# Altium PCB ASCII_LimeSDR-USB_1v4.PcbDoc (part 3 of 10) (continued)
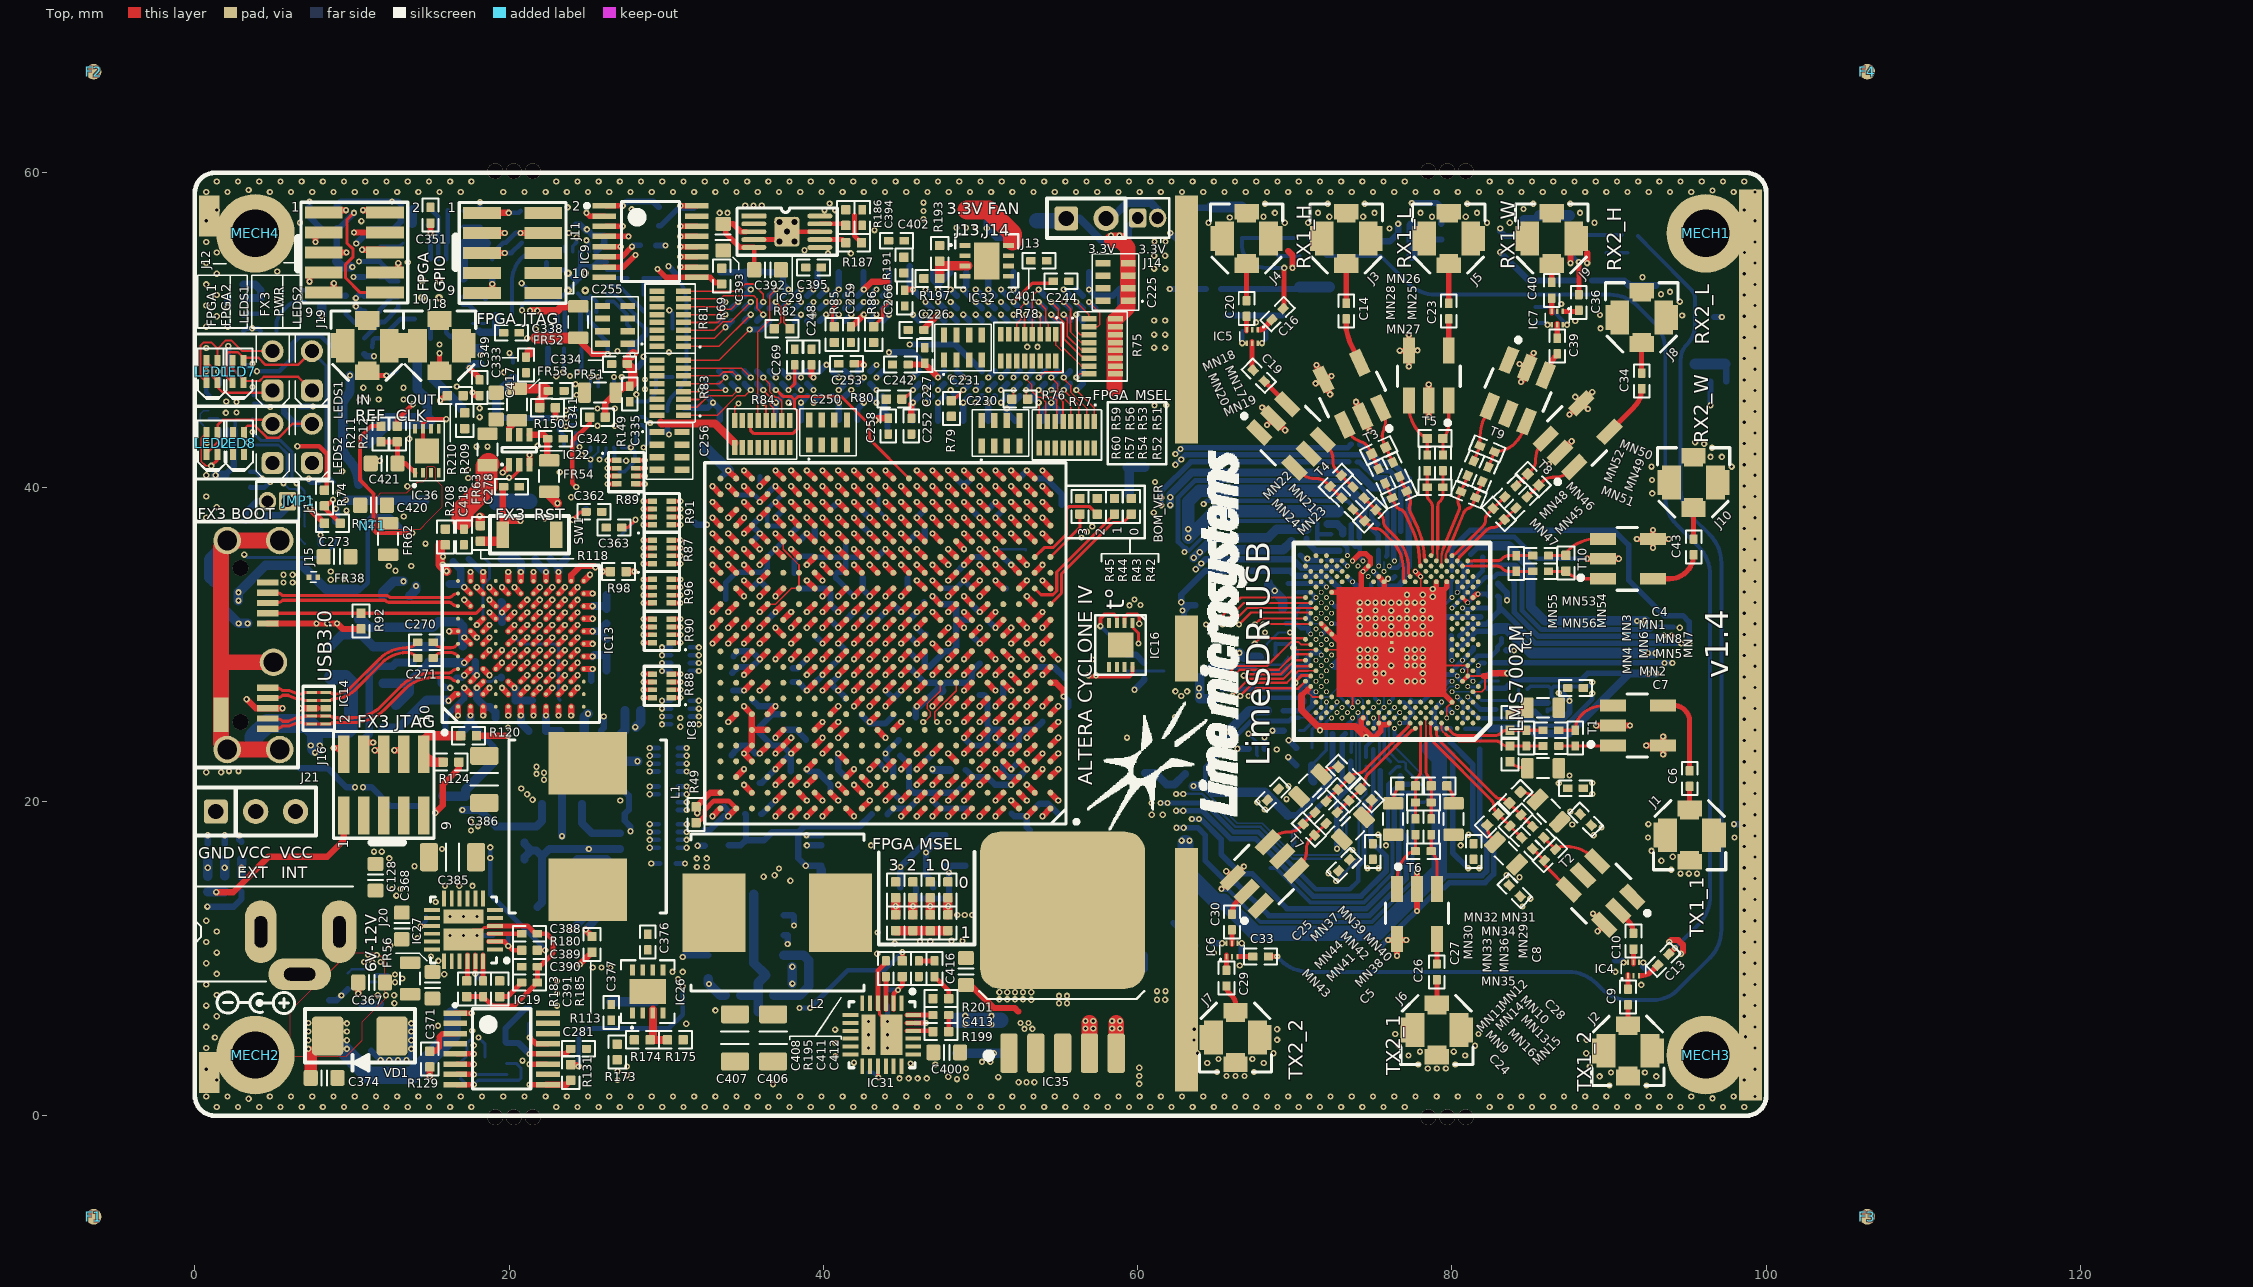
[diagram p0: Top view]
## Part data
C1 C2 C3 C4 C5 C6 C7 C8 C9 C10 C11 C12 C13 C14 C15 C16 C17 C18 C19 C20 C21 C22 C23 C24 C25 C26 C27 C28 C29 C30 C31 C32 C33 C34 C35 C36 C37 C38 C39 C40 C41 C42 C43 C44 C45 C46 C47 C48 C49 C50 C51 C52 C53 C54 C55 C56 C57 C58 C59 C60 C61 C62 C63 C64 C65 C66 C67 C68 C69 C70 C71 C72 C73 C74 C75 C76 C77 C78 C79 C80 C81 C82 C83 C84 C85 C86 C87 C88 C89 C90 C91 C92 C93 C94 C95 C96 C97 C98 C99 C100 C101 C102 C117 C118 C122 C123 C129 C130 C134 C135 C139 C140 C144 C145 C241 C242 C266 C267 C272 C321 C322 C323 C324 C325 C326 C327 C328 C329 C330 C331 C332 C333 C334 C335 C336 C337 C338 C339 C340 C341 C343 C344 C345 C346 C347 C348 C349 C350 C351 C352 C353 C354 C355 C356 C357 C358 C361 C362 C363 C372 C373 C376 C377 C378 C380 C381 C382 C383 C384 C388 C389 C390 C391 C394 C395 C396 C397 C398 C399 C401 C402 C403 C404 C405 C408 C409 C410 C411 C412 C413 C414 C418 MN5 MN6 MN7 MN8 MN13 MN14 MN15 MN16 MN17 MN19 MN20 MN21 MN22 MN23 MN24 MN25 MN27 MN28 MN33 MN34 MN35 MN36 MN41 MN42 MN43 MN44 MN45 MN47 MN48 MN49 MN50 MN51 MN52 MN53 MN55 MN56: library part Cap_0402
C103 C104 C105 C106 C107 C108 C109 C110 C111 C112 C113 C114 C116 C119 C121 C124 C125 C128 C131 C133 C136 C138 C141 C143 C146 C147 C148 C149 C150 C151 C152 C153 C154 C155 C156 C157 C158 C159 C160 C161 C162 C163 C164 C165 C166 C167 C168 C169 C170 C171 C172 C173 C174 C175 C176 C177 C178 C179 C180 C181 C182 C183 C184 C185 C186 C187 C188 C189 C190 C191 C192 C193 C194 C195 C196 C197 C198 C199 C200 C201 C202 C203 C204 C205 C206 C207 C208 C209 C210 C211 C212 C213 C214 C215 C216 C217 C218 C219 C220 C221 C222 C223 C224 C226 C227 C228 C229 C232 C233 C234 C235 C236 C237 C238 C239 C240 C243 C244 C246 C247 C248 C249 C251 C252 C253 C254 C257 C258 C259 C260 C261 C262 C263 C264 C265 C268 C269 C270 C271 C273 C274 C275 C276 C277 C278 C279 C280 C281 C282 C283 C284 C285 C286 C287 C288 C289 C290 C291 C292 C293 C294 C295 C296 C297 C298 C299 C300 C301 C302 C303 C304 C305 C306 C307 C308 C309 C310 C311 C312 C313 C314 C315 C316 C317 C318 C319 C320 C342 C359 C360 C364 C365 C366 C367 C368 C369 C370 C371 C374 C375 C379 C387 C392 C393 C400 C415 C416 C417 C419 C420 C421: library part Cap_0603
C115 C120 C126 C127 C132 C137 C142 C245 C385 C386 C406 C407: library part Cap_1206
C225 C230 C231 C250 C255 C256: library part 4X_cap_array_1206
FR1 FR2 FR3 FR4 FR5 FR6 FR7 FR8 FR9 FR10 FR11 FR12 FR13 FR14 FR15 FR16 FR17 FR18 FR19 FR20 FR21 FR22 FR23 FR24 FR25 FR26 FR27 FR28 FR29 FR30 FR31 FR32 FR33 FR34 FR35 FR36 FR37 FR38 FR39 FR40 FR41 FR42 FR43 FR44 FR45 FR46 FR47 FR48 FR49 FR50 FR51 FR52 FR53 FR54 FR55 FR56 FR57 FR58 FR59 FR60 FR61 FR62 FR63: library part Ferrite
IC2 IC18: library part 24FC64F
IC4 IC5 IC6 IC7: "SKY13323-378LF: 0.1-3.0 GHz GaAs SPDT Switch"
IC8: library part EP4CE40F23C7N, "IC FPGA 328 I/O 484FBGA"
IC10: library part M25P40
IC13: "EZ-USB(R) FX3: SuperSpeed USB Controller, 512 KB, 60 I/Os, 0 to 70 degC, 121-Pin FBGA (BZX121)"
IC17: library part MAX7322ATE+
IC19: library part SC18IS602
IC22: "Single 8-Bit nanoDAC with SPI Interface in LFCSP and SC70, 2.7 to 5.5 V, <100 uA, -40 to +125 degC, KS-6, Pb-Free, Reel"
IC26 IC28 IC30 IC32 IC33 IC34: library part AP7361
IC36: library part SPX3819R2-L/TR
J1 J2 J3 J4 J5 J6 J7 J8 J9 J10: library part RF_IF_connector, "CONN UMC RCPT STR 50 OHM SMD"
J11 J12 J16: library part "Header 5X2_SWD", "Header, 5-Pin, Dual row"
J13 J14: library part Jumper
J15: library part Micro_USB3_B
J18 J19: library part RF_IF_connector
J20: "Power Connector, THT, 2.1mm ID, 5.5mm OD"
J21: library part Header3P, "Header, 3-pin"
JMP1: library part JUMP_2P_CONN_HEADER, "Shorting Jumper, 2-position, 1.27mm pitch"
L1 L2 MN1 MN2 MN3 MN4 MN9 MN10 MN11 MN12 MN18 MN26 MN29 MN30 MN31 MN32 MN37 MN38 MN39 MN40 MN46 MN54: library part Inductor_0603
LED1 LED2 LED7 LED8: library part LED_green_red_SMD
LEDS1 LEDS2: library part LEDx2_STANDOFF
MECH1 MECH2 MECH3 MECH4: library part "STANDOFF_M-F_THREADED_M3x8x10mm_HEX_5mm dia", "STANDOFF M/F MET 5MM HEX 10MM L"
R1 R2 R3 R4 R5 R6 R7 R8 R9 R10 R11 R12 R13 R14 R15 R16 R17 R18 R19 R20 R21 R22 R23 R24 R25 R26 R27 R28 R29 R30 R31 R32 R33 R34 R35 R36 R37 R38 R39 R40 R41 R42 R43 R44 R45 R46 R47 R48 R49 R50 R51 R52 R53 R54 R55 R56 R57 R58 R59 R60 R61 R62 R63 R64 R65 R66 R67 R68 R69 R70 R71 R72 R73 R74 R76 R79 R80 R82 R85 R86 R92 R93 R95 R98 R99 R103 R104 R105 R106 R107 R108 R109 R110 R111 R112 R113 R114 R115 R116 R117 R118 R119 R120 R121 R122 R123 R124 R125 R126 R127 R128 R129 R130 R131 R132 R133 R134 R135 R136 R137 R138 R139 R140 R141 R142 R143 R144 R145 R146 R147 R148 R149 R150 R151 R152 R153 R154 R155 R156 R157 R158 R159 R160 R161 R162 R163 R164 R165 R166 R167 R168 R169 R170 R171 R172 R173 R174 R175 R176 R177 R178 R179 R180 R181 R182 R183 R184 R185 R186 R187 R188 R189 R190 R191 R192 R193 R194 R195 R196 R197 R198 R199 R200 R201 R202 R203 R204 R205 R206 R207 R208 R209 R210 R211 R212 RA1 RA2 RA3 RA4 RA5 RA6 RA7 RA8: library part Res_0402
R75 R77 R78 R81 R83 R84: library part 8X_resistor_array_0402
R87 R88 R89 R90 R91 R94 R96 R97 R100 R101 R102: library part ResArray_0802
SW1: library part Button
T1 T3 T5 T6 T8 T10: library part Balun
T2 T4 T7 T9: library part Balun_v2
VD1: library part DIODE_SCHOTTKY_SOD-523F, "Diode Schottky SMD SOD-523F"
VT1 VT2 VT3 VT4 VT5 VT6: library part BF1105R,215
XO1: library part RPT7050A
XO2: library part TXCO
XT1: library part CRYSTAL_19M2, "Oscillator Crystal 19.2 MHz"
XT2: library part CRYSTAL_19M2, "Oscillator Crystal 25 MHz"

## Free pads (board coordinates)
  round 1 hole 1 unplated: 2(21.5,-0.1) 2(21.5,60.1) 2(78.5,-0.1) 2(78.5,60.1) 3(20.3,-0.1) 3(20.3,60.1) 3(79.7,-0.1) 3(79.7,60.1) 4(19.125,-0.1) 4(19.125,60.1) 4(80.875,-0.1) 4(80.875,60.1)
  rect 1.3x2.6 smd: 5(0.925,2.75) 5(0.925,57.25)
  rect 1.45x15.5 smd mask+0: 16(63.1,9.275)
  rect 1.45x4.2 smd mask+0: 16(63.1,29.725)
  rect 1.45x15.775 smd mask+0: 16(63.1,50.675)
  rect 1.45x58 smd mask+0: 16(99,29.95)

## Via types
v1: diameter 0.4, hole 0.2, Top to Bottom, tented both sides, 1282 vias
v2: diameter 0.4, hole 0.2, Top to Bottom, tented top, 427 vias
v3: diameter 0.4, hole 0.2, Top to Bottom, 281 vias
v4: diameter 0.31, hole 0.2, Top to Bottom, tented top, 89 vias
v5: diameter 0.5, hole 0.2, Top to Bottom, tented both sides, 20 vias

## Nets (pads, with @x,y where several pads share a name; then routed paths per layer and width w, separated by ;. In a path a pad name is that pad's centre, name@x,y a point inside that pad or via, vN(x,y) a via of type N, cw(c..) or ccw(c..) an arc to the next point about the centre after c; other vN are vias at no path point)
+1.8V_DIG_LMK: C333.2 C338.2 C339.2 C340.2 FR52.2 IC20.2 IC20.6 | length 9.8
  Top w0.4: FR52.2@24.3,49.475 25.3,48.475 v1(26.275,48.475)
  Top w0.6: C333.2@21.275,48.525 21.275,48.6
  Top w0.7: v1(21.7,49.475) FR52.2@24.3,49.475
  Bottom w0.3: C340.2@22.475,49.813 23.05,50.388 IC20.6@23.05,51.138 ; IC20.2@25.05,51.138 25.05,50.638 25.65,50.038 25.65,49.813 26.275,49.188 v1(26.275,48.475)
  other v1: 21.15,49.475 21.7,50.05
ADF_MUXOUT: IC8.J2 IC23.15 R160.1 | length 74.2
  Top w0.4: v2(52.95,27.05) IC8.J2@53.45,27.55
  L8 w0.1: v1(10.45,54.35) 9.88,54.35 9.2,53.67 9.2,45.925 13.6,41.525 22.942,41.525 24.317,42.9 29.033,42.9 29.833,43.7 30.361,43.7 33.661,40.4 34.095,40.4 34.3,40.195 34.3,39.817 34.717,39.4 35.095,39.4 35.4,39.095 35.4,38.822 35.6,38.622 35.6,35.905 38.505,33 39.192,33 39.717,32.475 54.142,32.475 54.35,32.267 54.35,29.808 54.167,29.625 53.717,29.625 53.4,29.308 53.4,28.808 53.192,28.6 52.722,28.6 52.4,28.278 52.4,27.6 v2(52.95,27.05)
  Bottom w0.309: v1(10.45,54.35) R160.1@11.775,54.35 12.525,53.6 IC23.15@12.95,53.6
BOM_VER0: IC8.P1 R42.1 | length 8.2
  Top w0.2: IC8.P1@54.45,32.55 55.15,33.25 55.15,34.476 58.424,37.75 59.075,37.75 R42.1@59.6,38.275
BOM_VER1: IC8.R2 R43.1 | length 8.1
  Top w0.2: IC8.R2@53.45,33.55 53.85,33.15 54.616,33.15 54.85,33.384 54.85,34.6 R43.1@58.525,38.275
BOM_VER2: IC8.U2 R44.1 | length 6.4
  Top w0.2: IC8.U2@53.45,35.55 54.05,36.15 54.616,36.15 55.475,37.009 55.475,38.6 55.65,38.775 56.925,38.775 R44.1@57.425,38.275
BOM_VER3: IC8.U1 R45.1 | length 3.5
  Top w0.2: IC8.U1@54.45,35.55 56.325,37.425 R45.1@56.325,38.275
BRDG_INT: IC8.R1 IC13.F2 IC19.9 R131.1 | length 101.6
  Top w0.35: v1(21.3,1.975) IC19.9@22.35,1.975
  Top w0.4: IC13.F2@20.75,26.825 v2(21.15,27.225) ; IC19.9@22.35,1.975 IC19.9@22.475,1.975 23.65,1.975 R131.1@23.925,2.25 ; v2(53.95,34.05) IC8.R1@54.45,33.55
  L4 w0.1: v2(21.15,27.225) 19.575,25.65 19.575,23.05 24.425,18.2 ; v1(21.3,1.975) 21.475,2.15 21.475,2.45 26.85,7.825 32.958,7.825 35.508,10.375 37.975,10.375 38.475,10.875 38.475,12.245 38.27,12.45 37.98,12.45 37.775,12.245 37.775,11.95 36.95,11.125 26.125,11.125 24.425,12.825 24.425,18.2 ; v2(53.95,34.05) 53.3,34.7 53.3,35.195 52.595,35.9 51.305,35.9 50.005,34.6 42.722,34.6 41.522,33.4 40.805,33.4 40.4,32.995 40.4,31.995 39.6,31.195 39.6,30.922 38.086,29.409 37.741,29.409 37.545,29.212 37.545,28.867 36.628,27.95 36.35,27.95 35.51,27.11 35.51,26.832 35.153,26.475 34.35,26.475 32.425,24.55 31.878,24.55 31.3,25.128 31.3,25.5 31.1,25.7 30.75,25.7 30.75,25.645 30.55,25.445 30.55,24.733 29.75,23.933 29.75,20.65 27.3,18.2 24.425,18.2
BRDG_SPI_DUMMY_SS: IC19.13 R130.1 | length 2.2
  Top w0.35: v1(21.3,4.975) 21.7,4.575 IC19.13@22.475,4.575
  Bottom w0.35: v1(21.3,4.975) R130.1@21.3,5.825
BRDG_SPI_FPGA_SS: IC8.K7 IC19.1 | length 43.7
  Top w0.35: IC19.1@16.575,6.525 v1(17.625,6.525)
  Top w0.4: v2(47.95,28.05) IC8.K7@48.45,28.55
  L8 w0.1: v1(36.2,15.2) 36.2,19.078 36.722,19.6 37.392,19.6 38.555,20.763 38.555,21.15 38.905,21.5 39.188,21.5 40.55,22.862 40.55,23.267 40.833,23.55 41.133,23.55 42.358,24.775 43.029,24.775 45.654,27.4 47.3,27.4 v2(47.95,28.05)
  L9 w0.1: v1(17.625,6.525) 20.15,9.05 27.216,9.05 33.366,15.2 v1(36.2,15.2)
BRDG_SPI_MISO: IC8.C1 IC19.5 | length 59.9
  Top w0.35: IC19.5@16.7,3.925 v1(17.75,3.925)
  Top w0.4: IC8.C1@54.45,21.55 v2(54.95,22.05)
  L5 w0.1: v1(17.75,3.925) 18.75,2.925 21.45,2.925 22.2,3.675 28.225,3.675 32.033,3.675 32.483,3.225 41.233,3.225 42.683,1.775 49.475,1.775 51.267,1.775 56.125,6.633 56.125,18.158 54.6,19.683 54.6,21.7 v2(54.95,22.05)
BRDG_SPI_MOSI: IC8.B1 IC19.6 | length 57.8
  Top w0.35: IC19.6@16.7,3.275 v1(17.75,3.275)
  Top w0.4: IC8.B1@54.45,20.55 v2(54.95,20.05)
  L5 w0.1: v1(17.75,3.275) 18.3,2.725 21.575,2.725 22.325,3.475 31.95,3.475 32.4,3.025 41.15,3.025 42.6,1.575 51.35,1.575 56.325,6.55 56.325,18.25 54.95,19.625 v2(54.95,20.05)
BRDG_SPI_SCLK: IC8.B2 IC19.11 | length 54.9
  Top w0.35: v1(21.3,3.275) IC19.11@22.35,3.275
  Top w0.4: v2(52.95,21.05) IC8.B2@53.45,20.55
  L5 w0.1: v1(21.3,3.275) 21.9,3.875 32.158,3.875 32.608,3.425 41.316,3.425 42.766,1.975 51.185,1.975 55.925,6.715 55.925,18.075 v2(52.95,21.05)
DDR2_1_A0: IC8.W1 IC11.M8 R77.5 | length 26.6
  Top w0.1: v1(54.5,46.175) 55.25,45.425 R77.5@55.25,44.175
  Top w0.4: v2(53.95,38.05) IC8.W1@54.45,37.55
  L8 w0.1: v2(53.95,38.05) 53.5,38.05 53.3,38.25 53.3,40.25 53.5,40.45 53.5,41.25 53.675,41.425 55.188,41.425 55.363,41.6 55.363,44.712 55.1,44.975 53.075,44.975 52.45,45.6 52.45,49.8 52.65,50 53.95,50 54.1,49.85 54.1,47.87 53.35,47.12 53.35,46.8 53.6,46.55 54.067,46.55 54.442,46.175 v1(54.5,46.175)
  Bottom w0.4: v1(54.5,46.175) IC11.M8@54.9,46.575
DDR2_1_A1: IC8.AA3 IC11.M3 R75.7 | length 27.4
  Top w0.1: v1(54.5,50.975) 55.125,50.35 55.125,49 56.425,47.7 R75.7@56.9,47.7
  Top w0.4: v2(51.95,40.05) IC8.AA3@52.45,39.55
  L4 w0.1: v2(51.95,40.05) 52.6,40.7 54.095,40.7 54.325,40.93 54.325,41.93 58.35,45.955 58.35,52.1 57.325,53.125 55.3,53.125 54.85,52.675 54.85,51.63 54.5,51.28 v1(54.5,50.975)
  Bottom w0.4: v1(54.5,50.975) IC11.M3@54.9,50.575
DDR2_1_A2: IC8.Y3 IC11.M7 R77.4 | length 26.8
  Top w0.1: v1(54.5,46.975) 54.925,46.55 54.925,46.05 55.75,45.225 R77.4@55.75,44.175
  Top w0.4: v2(51.95,39.05) IC8.Y3@52.45,38.55
  L8 w0.1: v2(51.95,39.05) 51.508,39.492 51.508,44.517 50.95,45.075 50.95,47.25 50.95,47.293 cw(c51.254,47.293) 51.254,47.597 51.579,47.597 ccw(c51.579,47.901) 51.883,47.901 ccw(c51.579,47.901) 51.579,48.205 50.95,48.205 50.747,48.205 cw(c50.747,48.509) 50.443,48.509 cw(c50.747,48.509) 50.747,48.813 50.95,48.813 51.637,48.813 ccw(c51.637,49.117) 51.941,49.117 ccw(c51.637,49.117) 51.637,49.421 51.254,49.421 cw(c51.254,49.725) 50.95,49.725 50.95,50.175 51.175,50.4 54.133,50.4 54.5,50.033 v1(54.5,46.975)
  Bottom w0.4: v1(54.5,46.975) IC11.M7@54.9,47.375
DDR2_1_A3: IC8.V6 IC11.N2 R75.4 | length 27
  Top w0.1: v1(55.3,51.775) 55.725,51.35 55.725,49.875 56.4,49.2 R75.4@56.9,49.2
  Top w0.4: v2(48.95,37.05) IC8.V6@49.45,36.55
  L4 w0.1: v2(48.95,37.05) 49.4,37.5 49.4,41.291 50.109,42 52.925,42 54.85,43.925 54.85,47.525 ccw(c54.45,47.525) 54.45,47.925 cw(c54.45,48.325) 54.05,48.325 cw(c54.45,48.325) 54.45,48.725 54.85,48.725 55.15,48.725 ccw(c55.15,49.125) 55.55,49.125 ccw(c55.15,49.125) 55.15,49.525 54.85,49.525 54.45,49.525 cw(c54.45,49.925) 54.05,49.925 cw(c54.45,49.925) 54.45,50.325 ccw(c54.45,50.725) 54.85,50.725 54.85,51.125 54.85,51.25 54.85,51.325 v1(55.3,51.775)
  Bottom w0.4: v1(55.3,51.775) IC11.N2@55.7,51.375
DDR2_1_A4: IC8.AA1 IC11.N8 R77.3 | length 26.5
  Top w0.1: v1(55.3,46.175) 56.25,45.225 R77.3@56.25,44.175
  Top w0.4: v2(53.95,40.05) IC8.AA1@54.45,39.55
  L8 w0.1: v2(53.95,40.05) 53.95,39.545 55.32,38.175 55.9,38.175 57.675,39.95 57.675,40.225 ccw(c57.275,40.225) 57.275,40.625 56.275,40.625 cw(c56.275,41.025) 55.875,41.025 cw(c56.275,41.025) 56.275,41.425 57.275,41.425 ccw(c57.275,41.825) 57.675,41.825 ccw(c57.275,41.825) 57.275,42.225 56.275,42.225 cw(c56.275,42.625) 55.875,42.625 cw(c56.275,42.625) 56.275,43.025 57.275,43.025 ccw(c57.275,43.425) 57.675,43.425 ccw(c57.275,43.425) 57.275,43.825 56.275,43.825 cw(c56.275,44.225) 55.875,44.225 cw(c56.275,44.225) 56.275,44.625 57.275,44.625 ccw(c57.275,45.025) 57.675,45.025 57.675,45.125 ccw(c57.315,45.125) 57.315,45.485 55.365,45.485 55.15,45.7 55.15,46.025 v1(55.3,46.175)
  Bottom w0.4: v1(55.3,46.175) IC11.N8@55.7,46.575
DDR2_1_A5: IC8.AB3 IC11.N3 R75.5 | length 27
  Top w0.1: v1(55.3,50.975) 55.525,50.75 55.525,49.6 56.425,48.7 R75.5@56.9,48.7
  Top w0.4: v2(51.95,41.05) IC8.AB3@52.45,40.55
  L4 w0.1: v2(51.95,41.05) 51.95,41.275 52.075,41.4 53.512,41.4 58.15,46.038 58.15,52.017 57.242,52.925 55.955,52.925 55.75,52.72 55.75,51.63 55.955,51.425 56.375,51.425 56.575,51.225 56.575,50.708 55.842,49.975 55.35,49.975 55.125,50.2 55.125,50.8 v1(55.3,50.975)
  Bottom w0.4: v1(55.3,50.975) IC11.N3@55.7,50.575
DDR2_1_A6: IC8.Y2 IC11.N7 R77.2 | length 26.5
  Top w0.1: v1(55.3,46.975) 55.3,46.897 55.73,46.467 55.73,46.05 56.75,45.03 R77.2@56.75,44.175
  Top w0.4: v2(52.95,39.05) IC8.Y2@53.45,38.55
  L8 w0.1: v2(52.95,39.05) 52.3,39.7 52.3,40.3 52.3,40.7 52.3,41.1 cw(c52.7,41.1) 52.7,41.5 ccw(c52.7,41.9) 53.1,41.9 ccw(c52.7,41.9) 52.7,42.3 52.3,42.3 52.125,42.3 cw(c52.125,42.7) 51.725,42.7 cw(c52.125,42.7) 52.125,43.1 52.3,43.1 52.7,43.1 ccw(c52.7,43.5) 53.1,43.5 ccw(c52.7,43.5) 52.7,43.9 52.65,43.9 cw(c52.65,44.25) 52.3,44.25 52.3,44.875 51.65,45.525 51.65,47.15 51.85,47.35 52.1,47.35 52.25,47.5 52.25,50.025 52.425,50.2 54.05,50.2 54.3,49.95 54.3,47.525 54.125,47.35 54.125,46.775 54.3,46.6 54.925,46.6 v1(55.3,46.975)
  Bottom w0.4: v1(55.3,46.975) IC11.N7@55.7,47.375
DDR2_1_A7: IC8.AB5 IC11.P2 R75.1 | length 27
  Top w0.1: v1(56.1,51.775) 56.9,50.975 R75.1@56.9,50.7
  Top w0.4: v2(49.95,41.05) IC8.AB5@50.45,40.55
  L4 w0.1: v2(49.95,41.05) 49.95,41.275 50.275,41.6 53.429,41.6 57.95,46.121 57.95,46.375 ccw(c57.55,46.375) 57.55,46.775 56.823,46.775 cw(c56.823,47.175) 56.423,47.175 cw(c56.823,47.175) 56.823,47.575 57.55,47.575 ccw(c57.55,47.975) 57.95,47.975 ccw(c57.55,47.975) 57.55,48.375 56.75,48.375 cw(c56.75,48.775) 56.35,48.775 cw(c56.75,48.775) 56.75,49.175 57.55,49.175 ccw(c57.55,49.575) 57.95,49.575 ccw(c57.55,49.575) 57.55,49.975 57.368,49.975 cw(c57.368,50.375) 56.968,50.375 cw(c57.368,50.375) 57.368,50.775 57.55,50.775 ccw(c57.55,51.175) 57.95,51.175 57.95,51.575 57.95,51.934 57.684,52.2 56.525,52.2 v1(56.1,51.775)
  Bottom w0.4: v1(56.1,51.775) IC11.P2@56.5,51.375
DDR2_1_A8: IC8.Y1 IC11.P8 R77.1 | length 26.4
  Top w0.1: v1(56.1,46.175) 57.25,45.025 R77.1@57.25,44.175
  Top w0.4: v2(53.95,39.05) IC8.Y1@54.45,38.55
  L8 w0.1: v2(53.95,39.05) 55.175,37.825 55.833,37.825 57.875,39.867 57.875,45.25 57.875,45.373 ccw(c57.598,45.373) 57.598,45.65 cw(c57.598,46.05) 57.198,46.05 cw(c57.598,46.05) 57.598,46.45 ccw(c57.598,46.727) 57.875,46.727 57.875,46.85 ccw(c57.475,46.85) 57.475,47.25 56.823,47.25 cw(c56.823,47.65) 56.423,47.65 cw(c56.823,47.65) 56.823,48.05 57.475,48.05 ccw(c57.475,48.45) 57.875,48.45 57.875,48.634 57.309,49.2 56.125,49.2 55.8,48.875 55.8,47.825 56.475,47.15 56.475,46.55 v1(56.1,46.175)
  Bottom w0.4: v1(56.1,46.175) IC11.P8@56.5,46.575
DDR2_1_A9: IC8.V7 IC11.P3 R75.3 | length 26.5
  Top w0.1: v1(56.1,50.975) 56.1,49.95 56.35,49.7 R75.3@56.9,49.7
  Top w0.4: IC8.V7@48.45,36.55 v2(48.95,36.05)
  L8 w0.1: v2(48.95,36.05) 49.3,35.7 54.3,35.7 58.275,39.675 58.275,48.8 v1(56.1,50.975)
  Bottom w0.4: v1(56.1,50.975) IC11.P3@56.5,50.575
DDR2_1_A10: IC8.Y6 IC11.M2 R75.6 | length 27.1
  Top w0.1: v1(54.5,51.775) 54.95,51.325 54.95,50.83 55.325,50.455 55.325,49.413 56.538,48.2 R75.6@56.9,48.2
  Top w0.4: v2(48.95,39.05) IC8.Y6@49.45,38.55
  L4 w0.1: v2(48.95,39.05) 48.65,39.05 48.5,39.2 48.5,41.917 49.308,42.725 52.15,42.725 52.45,43.025 52.45,47.375 cw(c52.85,47.375) 52.85,47.775 53.05,47.775 ccw(c53.05,48.175) 53.45,48.175 ccw(c53.05,48.175) 53.05,48.575 52.45,48.575 51.85,48.575 cw(c51.85,48.975) 51.45,48.975 cw(c51.85,48.975) 51.85,49.375 52.075,49.375 ccw(c52.075,49.75) 52.45,49.75 52.45,50.25 52.8,50.6 53.925,50.6 54.1,50.775 54.1,51.6 54.275,51.775 v1(54.5,51.775)
  Bottom w0.4: v1(54.5,51.775) IC11.M2@54.9,51.375
DDR2_1_A11: IC8.W2 IC11.P7 R75.8 | length 26.5
  Top w0.1: v1(56.1,46.975) 56.325,47.2 R75.8@56.9,47.2
  Top w0.4: v2(52.95,38.05) IC8.W2@53.45,37.55
  L8 w0.1: v2(52.95,38.05) 52.455,38.05 51.575,37.17 51.575,36.725 51.9,36.4 54.691,36.4 58.075,39.784 58.075,48.717 57.392,49.4 56.025,49.4 55.6,48.975 55.6,47.725 56.1,47.225 v1(56.1,46.975)
  Bottom w0.4: v1(56.1,46.975) IC11.P7@56.5,47.375
DDR2_1_A12: IC8.T8 IC11.R2 R75.2 | length 27.3
  Top w0.1: R75.2@56.9,50.2 57.45,50.2 57.6,50.35 57.6,51.075 v1(56.9,51.775)
  Top w0.4: v2(46.95,35.05) IC8.T8@47.45,34.55
  L4 w0.1: v2(46.95,35.05) 47.475,35.575 48.97,35.575 49.6,36.205 49.6,37.905 49.6,41.208 50.192,41.8 53.346,41.8 55.75,44.204 55.75,49.6 56.9,50.75 v1(56.9,51.775)
  Bottom w0.4: v1(56.9,51.775) IC11.R2@57.3,51.375
DDR2_1_BA0: IC8.V4 IC11.L2 R78.2 | length 29.4
  Top w0.1: v1(53.7,51.775) 54.15,51.325 54.15,50.525 54.3,50.375 R78.2@54.3,49.725
  Top w0.4: v2(50.95,37.05) IC8.V4@51.45,36.55
  L4 w0.1: v2(50.95,37.05) 51.45,37.05 52.8,38.4 54.734,38.4 58.55,42.216 58.55,52.183 57.408,53.325 55.217,53.325 54.65,52.758 54.65,52.42 54.205,51.975 54.192,51.975 53.992,51.775 v1(53.7,51.775)
  Bottom w0.4: v1(53.7,51.775) IC11.L2@54.1,51.375
DDR2_1_BA1: IC8.V3 IC11.L3 R78.3 | length 29.5
  Top w0.1: v1(53.7,50.975) 53.8,50.875 R78.3@53.8,49.725
  Top w0.4: v2(51.95,37.05) IC8.V3@52.45,36.55
  L4 w0.1: v2(51.95,37.05) 52.6,37.7 54.317,37.7 58.75,42.133 58.75,52.266 57.491,53.525 55.134,53.525 54.45,52.841 54.45,52.503 54.122,52.175 53.605,52.175 53.35,51.92 53.35,51.325 v1(53.7,50.975)
  Bottom w0.4: v1(53.7,50.975) IC11.L3@54.1,50.575
DDR2_1_BA2: IC8.V1 IC11.L1 R78.4 | length 28
  Top w0.1: R78.4@53.3,49.725 53.3,52.175 v1(53.7,52.575)
  Top w0.4: v2(53.95,37.05) IC8.V1@54.45,36.55
  L4 w0.1: v1(53.7,52.575) 54.85,53.725 57.574,53.725 58.95,52.349 58.95,42.05 v2(53.95,37.05)
  Bottom w0.4: v1(53.7,52.575) IC11.L1@54.1,52.175
DDR2_1_CASN: IC8.T4 IC11.L7 R78.1 | length 19.1
  Top w0.1: v1(53.7,46.975) 54.05,47.325 55.1,47.325 55.25,47.475 55.25,48.592 54.8,49.042 R78.1@54.8,49.725
  Top w0.4: v2(50.95,35.05) IC8.T4@51.45,34.55
  L9 w0.1: v2(50.95,35.05) 51.445,35.05 53.4,37.005 53.4,44.867 53.1,45.167 53.1,45.85 53.25,46 53.25,46.525 v1(53.7,46.975)
  Bottom w0.4: v1(53.7,46.975) IC11.L7@54.1,47.375
DDR2_1_CKE: IC8.R7 IC11.K2 R78.6 | length 29.2
  Top w0.1: R78.6@52.3,49.725 52.3,50.4 52.55,50.65 52.55,51.425 v1(52.9,51.775)
  Top w0.4: v2(47.95,33.05) IC8.R7@48.45,33.55
  L9 w0.1: v2(47.95,33.05) 48.3,32.7 52.095,32.7 54.85,35.455 54.85,48.53 52.55,50.83 52.55,51.325 52.9,51.675 v1(52.9,51.775)
  Bottom w0.4: v1(52.9,51.775) IC11.K2@53.3,51.375
DDR2_1_CLK_N: IC8.U8 IC11.K8 R76.2 | length 16.9
  Top w0.1: v1(52.9,46.175) 52.9,45.725 R76.2@53.025,45.6
  Top w0.4: IC8.U8@47.45,35.55 v2(47.95,35.05)
  L9 w0.1: v2(47.95,35.05) 48.35,35.45 51.158,35.45 51.6,35.892 51.6,36.195 51.805,36.4 52.078,36.4 52.6,36.922 52.6,45.875 v1(52.9,46.175)
  Bottom w0.4: v1(52.9,46.175) IC11.K8@53.3,46.575
DDR2_1_CLK_P: IC8.U7 IC11.J8 R76.1 | length 16.5
  Top w0.1: R76.1@51.975,45.6 52.1,45.725 v1(52.1,46.175)
  Top w0.4: v2(47.95,36.05) IC8.U7@48.45,35.55
  L9 w0.1: v2(47.95,36.05) 48.35,35.65 51.075,35.65 51.4,35.975 51.4,36.278 51.722,36.6 51.995,36.6 52.4,37.005 52.4,45.875 v1(52.1,46.175)
  Bottom w0.4: v1(52.1,46.175) IC11.J8@52.5,46.575
DDR2_1_CSN: IC8.R6 IC11.L8 R77.6 | length 18.9
  Top w0.1: v1(53.7,46.175) 54.15,45.725 54.645,45.725 54.85,45.52 54.85,44.275 R77.6@54.75,44.175
  Top w0.4: IC8.R6@49.45,33.55 v2(49.95,34.05)
  L9 w0.1: v2(49.95,34.05) 50.6,34.7 52.095,34.7 52.27,34.875 52.27,35.592 53.6,36.922 53.6,44.95 53.3,45.25 53.3,45.767 53.7,46.167 v1(53.7,46.175)
  Bottom w0.4: v1(53.7,46.175) IC11.L8@54.1,46.575
DDR2_1_DM0: IC8.AA7 IC11.F3 | length 16.7
  Top w0.4: v2(47.95,40.05) IC8.AA7@48.45,39.55
  L9 w0.1: v2(47.95,40.05) 47.667,40.05 47.117,40.6 45.658,40.6 45.5,40.758 45.5,41.288 45.175,41.613 45.175,47.258 48.542,50.625 49.35,50.625 v1(49.7,50.975)
  Bottom w0.4: v1(49.7,50.975) IC11.F3@50.1,50.575
DDR2_1_DM1: IC8.V5 IC11.B3 | length 18.5
  Top w0.4: v2(49.95,37.05) IC8.V5@50.45,36.55
  L9 w0.1: v1(46.5,50.975) 44.975,49.45 44.975,41.53 45.3,41.205 45.3,40.675 45.575,40.4 46.105,40.4 49.455,37.05 v2(49.95,37.05)
  Bottom w0.4: v1(46.5,50.975) IC11.B3@46.9,50.575
DDR2_1_DQ0: IC8.U10 IC11.G8 | length 23.4
  Top w0.4: v2(44.95,36.05) IC8.U10@45.45,35.55
  L8 w0.1: v2(44.95,36.05) 45.525,36.625 49.02,36.625 50.575,38.18 50.575,43.642 49.267,44.95 48.825,44.95 48.55,45.225 48.55,47.8 49.025,48.275 49.025,48.55 49.4,48.925 49.775,48.925 50.025,48.675 50.025,46.65 v1(50.5,46.175)
  Bottom w0.4: v1(50.5,46.175) IC11.G8@50.9,46.575
DDR2_1_DQ1: IC8.AB8 IC11.G2 | length 23.6
  Top w0.4: v2(46.95,41.05) IC8.AB8@47.45,40.55
  L4 w0.1: v2(46.95,41.05) 46.95,41.7 ccw(c46.646,41.7) 46.646,42.004 45.646,42.004 cw(c45.646,42.308) 45.342,42.308 cw(c45.646,42.308) 45.646,42.612 46.95,42.612 48.128,42.612 ccw(c48.128,42.916) 48.432,42.916 ccw(c48.128,42.916) 48.128,43.22 46.95,43.22 cw(c46.95,43.454) 46.716,43.454 46.716,43.594 cw(c46.95,43.594) 46.95,43.828 48.371,43.828 ccw(c48.371,44.132) 48.675,44.132 ccw(c48.371,44.132) 48.371,44.436 46.95,44.436 46.656,44.436 cw(c46.656,44.74) 46.352,44.74 cw(c46.656,44.74) 46.656,45.044 ccw(c46.656,45.338) 46.95,45.338 46.95,45.35 46.95,47.559 49.25,49.859 49.25,51.05 49.625,51.425 50.15,51.425 v1(50.5,51.775)
  Bottom w0.4: v1(50.5,51.775) IC11.G2@50.9,51.375
DDR2_1_DQ2: IC8.AB7 IC11.H7 | length 23.6
  Top w0.4: v2(47.95,41.05) IC8.AB7@48.45,40.55
  L9 w0.1: v2(47.95,41.05) 48.4,40.6 49.995,40.6 50.3,40.905 50.3,41.5 ccw(c49.996,41.5) 49.996,41.804 49.334,41.804 cw(c49.334,42.108) 49.03,42.108 cw(c49.334,42.108) 49.334,42.412 50.3,42.412 51.096,42.412 ccw(c51.096,42.716) 51.4,42.716 ccw(c51.096,42.716) 51.096,43.02 50.3,43.02 49.334,43.02 cw(c49.334,43.324) 49.03,43.324 cw(c49.334,43.324) 49.334,43.628 50.3,43.628 51.096,43.628 ccw(c51.096,43.932) 51.4,43.932 ccw(c51.096,43.932) 51.096,44.236 50.604,44.236 cw(c50.604,44.54) 50.3,44.54 50.3,44.625 50.3,45 50.05,45.25 50.05,48.925 50.275,49.15 51.025,49.15 51.3,48.875 v1(51.3,46.975)
  Bottom w0.4: v1(51.3,46.975) IC11.H7@51.7,47.375
DDR2_1_DQ3: IC8.AA9 IC11.H3 | length 23.6
  Top w0.4: v2(45.95,40.05) IC8.AA9@46.45,39.55
  L4 w0.1: v2(45.95,40.05) 46.3,40.4 46.3,41.195 46.095,41.4 45.675,41.4 45.1,41.975 45.1,42.675 45.259,42.834 46.149,42.834 46.516,43.201 46.516,44.034 46.35,44.2 45.5,44.2 45.35,44.35 45.35,47.217 45.541,47.409 46.516,47.409 46.8,47.692 46.8,50.4 47.025,50.625 48.3,50.625 48.55,50.875 48.55,51.92 48.855,52.225 51.5,52.225 51.75,51.975 51.75,51.125 51.6,50.975 v1(51.3,50.975)
  Bottom w0.4: v1(51.3,50.975) IC11.H3@51.7,50.575
DDR2_1_DQ4: IC8.V11 IC11.H1 | length 23.7
  Top w0.4: v2(43.95,37.05) IC8.V11@44.45,36.55
  L4 w0.1: v2(43.95,37.05) 43.95,37.525 44.3,37.875 44.3,45.005 44.525,45.23 44.525,51.895 45.555,52.925 50.95,52.925 v1(51.3,52.575)
  Bottom w0.4: v1(51.3,52.575) IC11.H1@51.7,52.175
DDR2_1_DQ5: IC8.W10 IC11.H9 | length 23.5
  Top w0.4: v2(44.95,38.05) IC8.W10@45.45,37.55
  L4 w0.1: v2(44.95,38.05) 44.95,37.959 44.5,37.509 44.5,36.775 44.875,36.4 46.095,36.4 46.645,35.85 47.225,35.85 48.3,36.925 48.3,42 50.05,43.75 50.05,45.442 50.433,45.825 50.645,45.825 50.85,46.03 50.85,48 51.1,48.25 51.475,48.25 51.75,47.975 51.75,45.825 v1(51.3,45.375)
  Bottom w0.4: v1(51.3,45.375) IC11.H9@51.7,45.775
DDR2_1_DQ6: IC8.AA8 IC11.F1 | length 23.4
  Top w0.4: v2(46.95,40.05) IC8.AA8@47.45,39.55
  L8 w0.1: v2(46.95,40.05) 46.35,39.45 46,39.45 45.3,40.15 45.3,41.2 44.6,41.9 44.6,48.8 44.05,49.35 44.05,50.35 44.6,50.9 44.6,53.275 44.925,53.6 49.35,53.6 49.7,53.25 v1(49.7,52.575)
  Bottom w0.4: v1(49.7,52.575) IC11.F1@50.1,52.175
DDR2_1_DQ7: IC8.Y10 IC11.F9 | length 23.6
  Top w0.4: v2(44.95,39.05) IC8.Y10@45.45,38.55
  L4 w0.1: v2(44.95,39.05) 45.35,38.65 45.35,36.925 45.675,36.6 46.995,36.6 47.525,37.13 47.525,41.6 48.875,42.95 48.875,44.7 48.5,45.075 48.5,48.75 48.675,48.925 49.825,48.925 50.05,48.7 50.05,45.725 v1(49.7,45.375)
  Bottom w0.4: v1(49.7,45.375) IC11.F9@50.1,45.775
DDR2_1_DQ8: IC8.W6 IC11.C8 | length 23.6
  Top w0.4: v2(48.95,38.05) IC8.W6@49.45,37.55
  L8 w0.1: v1(47.3,46.175) 46.95,46.525 46.95,48.05 46.425,48.575 46.425,50.075 46.2,50.3 45.8,50.3 45.55,50.05 45.55,49.575 45.85,49.275 45.85,48.525 45.35,48.025 45.35,45.325 ccw(c45.654,45.325) 45.654,45.021 46.082,45.021 cw(c46.082,44.717) 46.386,44.717 cw(c46.082,44.717) 46.082,44.413 45.35,44.413 45.304,44.413 ccw(c45.304,44.109) 45,44.109 ccw(c45.304,44.109) 45.304,43.805 45.35,43.805 45.588,43.805 cw(c45.588,43.501) 45.892,43.501 cw(c45.588,43.501) 45.588,43.197 ccw(c45.588,42.959) 45.35,42.959 45.35,42.825 45.35,42.155 47.325,40.18 47.325,39.18 48.105,38.4 48.6,38.4 v2(48.95,38.05)
  Bottom w0.4: v1(47.3,46.175) IC11.C8@47.7,46.575
DDR2_1_DQ9: IC8.AA5 IC11.C2 | length 23.7
  Top w0.4: v2(49.95,40.05) IC8.AA5@50.45,39.55
  L8 w0.1: v1(47.3,51.775) 47.7,51.375 47.7,50.675 47.7,50.615 ccw(c48.004,50.615) 48.004,50.311 48.92,50.311 cw(c48.92,50.007) 49.224,50.007 cw(c48.92,50.007) 48.92,49.703 47.7,49.703 47.165,49.703 ccw(c47.165,49.399) 46.861,49.399 ccw(c47.165,49.399) 47.165,49.095 47.7,49.095 48.413,49.095 cw(c48.413,48.791) 48.717,48.791 cw(c48.413,48.791) 48.413,48.487 47.7,48.487 47.436,48.487 ccw(c47.436,48.183) 47.132,48.183 ccw(c47.436,48.183) 47.436,47.879 cw(c47.436,47.615) 47.7,47.615 47.7,47.575 47.7,45.28 47.173,44.753 47.173,44.05 47.173,43.391 cw(c46.869,43.391) 46.869,43.087 46.461,43.087 ccw(c46.461,42.783) 46.157,42.783 ccw(c46.461,42.783) 46.461,42.479 46.869,42.479 cw(c46.869,42.175) 47.173,42.175 47.173,41.852 47.45,41.575 47.45,40.775 47.825,40.4 49.6,40.4 v2(49.95,40.05)
  Bottom w0.4: v1(47.3,51.775) IC11.C2@47.7,51.375
DDR2_1_DQ10: IC8.W7 IC11.D7 | length 23.7
  Top w0.4: v2(47.95,38.05) IC8.W7@48.45,37.55
  L8 w0.1: v2(47.95,38.05) 47.3,37.4 45.805,37.4 44.6,36.195 44.6,35.905 45.105,35.4 45.875,35.4 46.875,36.4 48.875,36.4 49.795,36.4 51.3,37.905 51.3,38.025 51.3,41.2 50.975,41.525 50.975,43.525 49.3,45.2 49.3,46.575 v1(48.9,46.975)
  Bottom w0.4: IC11.D7@48.5,47.375 v1(48.9,46.975)
DDR2_1_DQ11: IC8.V8 IC11.D3 | length 23.4
  Top w0.4: v2(46.95,37.05) IC8.V8@47.45,36.55
  L4 w0.1: v2(46.95,37.05) 47.325,37.425 47.325,39.425 47.125,39.625 45.7,39.625 45.5,39.825 45.5,40.9 44.9,41.5 44.9,42.275 44.9,42.579 44.9,42.883 cw(c45.204,42.883) 45.204,43.187 46.013,43.187 ccw(c46.013,43.491) 46.317,43.491 ccw(c46.013,43.491) 46.013,43.795 45.204,43.795 cw(c45.204,44.099) 44.9,44.099 44.9,44.403 44.9,44.525 44.9,44.757 45.15,45.007 45.15,47.3 45.459,47.609 46.434,47.609 46.583,47.758 46.583,50.123 46.15,50.556 46.15,51.12 46.405,51.375 47.925,51.375 48.1,51.2 v1(48.1,50.975)
  Bottom w0.4: v1(48.1,50.975) IC11.D3@48.5,50.575